# Allegro board 6089-103-RevA_73.brd (continued)
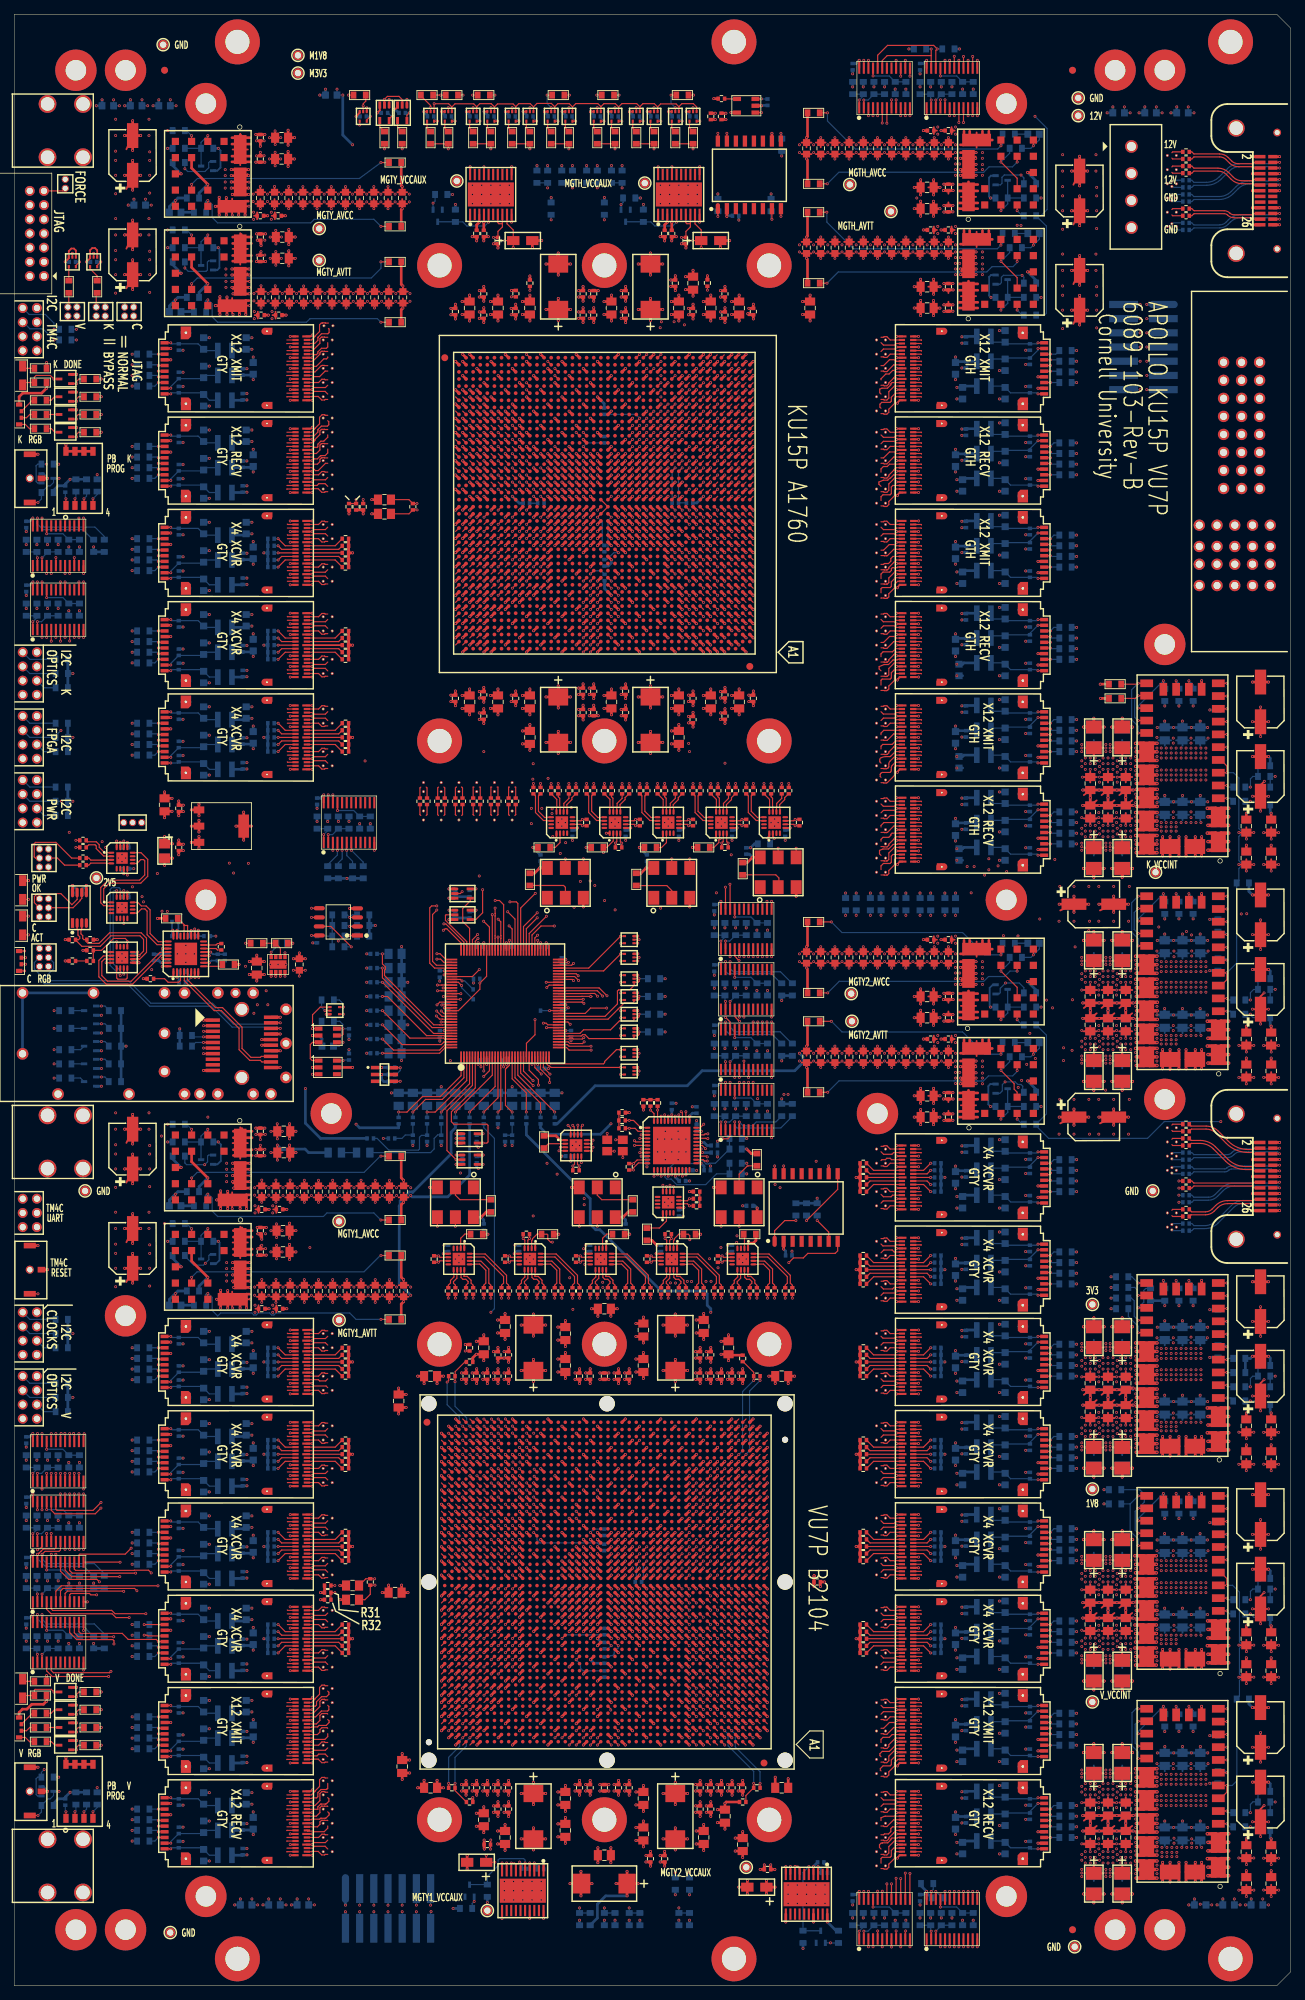
[diagram p0: board, top side]
## Routing (per net, layer and track width the routed paths; a pad name or vN(x,y) marks a point on that pad's centre or on a via; arc(x,y) is an arc through that point) (continued)
NV_FF12_RECV5: length 36.1
  TOP w0.165: U66.L46 60.23,43.94 ; U30.B11 38.45,22.4
  SIG4 w0.083: 38.45,22.4 38.66,22.19 39.67,22.19 arc(40.29,22.32) 40.82,22.67 41.79,23.64 arc(42.25,23.95) 42.79,24.05 44.34,24.05 arc(44.95,24.18) 45.47,24.52 48,27.05 arc(49.28,28.97) 49.73,31.23 49.73,32.42 arc(49.94,33.45) 50.52,34.32 53.43,37.23 arc(53.45,37.28) 53.43,37.32 arc(53.41,37.36) 53.43,37.4 53.58,37.55 arc(53.62,37.57) 53.67,37.55 arc(53.71,37.53) 53.75,37.55 53.9,37.7 arc(53.92,37.74) 53.9,37.79 arc(53.88,37.83) 53.9,37.87 54.05,38.02 arc(54.09,38.04) 54.13,38.02 arc(54.18,38) 54.22,38.02 59.55,43.35 arc(59.78,43.51) 60.05,43.56 60.51,43.56 arc(60.55,43.57) 60.58,43.6 arc(60.61,43.66) 60.63,43.73 arc(60.64,43.77) 60.65,43.8 arc(60.65,43.86) 60.61,43.91 arc(60.54,43.94) 60.47,43.94 60.23,43.94
NV_FF12_RECV6: length 36.1
  TOP w0.165: U30.A8 42.6,23.9 43.1,24.4 43.1,25.09 43.32,25.31 43.39,25.31 43.39,25.31 43.74,25.31 43.74,25.31 44.17,25.31 44.2,25.28 ; U66.M44 62.24,44.93
  SIG2 w0.083: 62.24,44.93 62.5,44.93 arc(62.59,44.89) 62.63,44.8 62.63,44.72 arc(62.58,44.61) 62.48,44.57 59.04,44.57 arc(58.15,44.39) 57.39,43.88 50.17,36.67 arc(49.56,35.75) 49.34,34.66 49.34,29.48 arc(49.18,28.68) 48.73,28 47.76,27.03 arc(47.7,27) 47.65,27.03 arc(47.59,27.05) 47.54,27.03 47.41,26.9 arc(47.39,26.85) 47.41,26.79 arc(47.44,26.74) 47.41,26.68 47.29,26.56 arc(47.24,26.54) 47.18,26.56 arc(47.13,26.58) 47.07,26.56 46.95,26.44 arc(46.92,26.38) 46.95,26.33 arc(46.97,26.27) 46.95,26.22 45.83,25.1 arc(45.7,25.01) 45.54,24.98 45.51,24.98 arc(45.36,25.01) 45.23,25.1 45.21,25.12 arc(45.03,25.24) 44.82,25.28 44.2,25.28
NV_FF12_RECV7: length 36.2
  TOP w0.165: U66.N46 60.23,45.95 ; U30.B8 38.45,23.9
  SIG4 w0.083: 38.45,23.9 38.61,23.74 39.7,23.74 arc(40.34,23.86) 40.88,24.22 42.26,25.6 arc(42.82,25.98) 43.48,26.11 44.43,26.11 arc(44.8,26.18) 45.12,26.39 47.06,28.33 arc(48.08,29.86) 48.44,31.67 48.44,33.14 arc(48.61,33.98) 49.08,34.7 52.65,38.27 arc(52.68,38.33) 52.65,38.39 arc(52.63,38.45) 52.65,38.51 52.77,38.62 arc(52.83,38.65) 52.89,38.62 arc(52.95,38.6) 53.01,38.62 53.12,38.74 arc(53.15,38.8) 53.12,38.86 arc(53.1,38.92) 53.12,38.98 53.23,39.09 arc(53.29,39.11) 53.35,39.09 arc(53.41,39.06) 53.47,39.09 59.75,45.36 arc(59.97,45.51) 60.22,45.56 60.4,45.56 arc(60.44,45.56) 60.48,45.57 arc(60.54,45.59) 60.59,45.62 arc(60.62,45.65) 60.63,45.69 60.63,45.86 60.55,45.95 60.23,45.95
NV_FF12_RECV8: length 36.6
  TOP w0.165: U30.A5 42.4,25.4 43.1,26.1 43.1,27.09 43.37,27.36 43.76,27.36 43.84,27.28 44.2,27.28 ; U66.P44 62.24,46.94
  SIG2 w0.083: 62.24,46.94 62.55,46.94 62.63,46.85 62.63,46.68 arc(62.59,46.6) 62.51,46.56 59.06,46.56 arc(58.1,46.37) 57.28,45.83 48.65,37.2 arc(48.01,36.24) 47.79,35.12 47.79,32.29 arc(47.77,32.23) 47.71,32.21 arc(47.66,32.19) 47.63,32.13 47.63,31.96 arc(47.66,31.9) 47.71,31.88 arc(47.77,31.86) 47.79,31.8 47.79,31.63 arc(47.77,31.57) 47.71,31.55 arc(47.66,31.53) 47.63,31.47 47.63,31.3 arc(47.66,31.24) 47.71,31.22 arc(47.77,31.2) 47.79,31.14 47.79,29.93 arc(47.64,29.17) 47.21,28.53 45.79,27.11 arc(45.67,27.02) 45.53,26.98 arc(45.48,26.98) 45.44,26.99 arc(45.37,27.02) 45.3,27.05 arc(45.26,27.07) 45.23,27.1 45.21,27.12 arc(45.03,27.24) 44.83,27.28 44.2,27.28
NV_FF12_RECV9: length 36.6
  TOP w0.165: U66.R46 60.23,47.93 ; U30.B5 38.45,25.4
  SIG4 w0.083: 60.23,47.93 60.55,47.93 60.63,47.84 60.63,47.65 arc(60.61,47.58) 60.54,47.55 60.09,47.55 arc(59.77,47.49) 59.51,47.31 52.75,40.55 arc(52.69,40.53) 52.63,40.55 arc(52.57,40.58) 52.51,40.55 52.39,40.44 arc(52.37,40.38) 52.39,40.32 arc(52.42,40.26) 52.39,40.2 52.28,40.08 arc(52.22,40.06) 52.16,40.08 arc(52.1,40.11) 52.04,40.08 51.93,39.97 arc(51.9,39.91) 51.93,39.85 arc(51.95,39.79) 51.93,39.73 48.01,35.81 arc(47.44,34.96) 47.24,33.96 47.24,32.06 arc(46.94,30.54) 46.08,29.25 45.21,28.39 arc(44.85,28.15) 44.42,28.06 44.04,28.06 arc(43.32,27.92) 42.72,27.51 41.02,25.82 arc(40.38,25.39) 39.62,25.24 38.61,25.24 38.45,25.4
NV_FF12_RECV10: length 37
  TOP w0.165: U66.T44 62.24,48.94 ; U30.A2 41.9,26.9 42.43,27.43 42.43,27.48 43.05,28.09 43.05,29.04 43.37,29.36 43.76,29.36 43.84,29.28 44.2,29.28
  SIG2 w0.083: 44.2,29.28 44.98,29.28 arc(45.07,29.26) 45.14,29.21 45.23,29.13 arc(45.36,29.04) 45.52,29.01 45.61,29.01 arc(45.84,29.06) 46.04,29.19 46.45,29.59 arc(46.63,29.86) 46.69,30.18 46.69,31.79 arc(46.67,31.85) 46.61,31.87 arc(46.56,31.89) 46.54,31.95 46.54,32.12 arc(46.56,32.18) 46.61,32.2 arc(46.67,32.22) 46.69,32.28 46.69,32.45 arc(46.67,32.51) 46.61,32.53 arc(46.56,32.55) 46.54,32.61 46.54,32.78 arc(46.56,32.84) 46.61,32.86 arc(46.67,32.88) 46.69,32.94 46.69,36.59 arc(46.82,37.23) 47.18,37.78 57.62,48.21 arc(58.04,48.5) 58.54,48.6 61.39,48.6 61.39,48.6 62.5,48.6 arc(62.58,48.63) 62.62,48.69 62.64,48.79 arc(62.64,48.83) 62.62,48.87 62.55,48.94 62.24,48.94
NV_FF12_RECV11: length 36.3
  TOP w0.165: U30.B2 38.45,26.9 ; U66.U46 60.23,49.93
  SIG4 w0.083: 60.23,49.93 60.55,49.93 60.63,49.85 60.63,49.65 arc(60.61,49.59) 60.55,49.57 60.16,49.57 arc(59.93,49.55) 59.71,49.48 59.61,49.44 arc(59.52,49.39) 59.43,49.34 59.43,49.34 51.58,41.49 arc(51.53,41.47) 51.48,41.49 arc(51.43,41.51) 51.38,41.49 51.25,41.36 arc(51.23,41.31) 51.25,41.26 arc(51.27,41.21) 51.25,41.16 51.12,41.03 arc(51.07,41) 51.01,41.03 arc(50.96,41.05) 50.91,41.03 50.78,40.89 arc(50.76,40.84) 50.78,40.79 arc(50.8,40.74) 50.78,40.69 46.74,36.64 arc(46.11,35.71) 45.89,34.6 45.89,33.37 arc(45.71,32.47) 45.2,31.71 40.59,27.09 arc(40.15,26.8) 39.63,26.69 38.66,26.69 38.45,26.9
NV_FF12_XMIT0: length 28.6
  TOP w0.165: U66.A43 63.23,33.93 ; U29.B17 38.45,32.4
  SIG3 w0.083: 38.45,32.4 38.61,32.24 41.73,32.24 arc(42.13,32.32) 42.48,32.55 42.55,32.62 arc(42.98,32.91) 43.48,33.01 45.58,33.01 arc(45.62,33.02) 45.65,33.04 45.98,33.37 arc(46.22,33.53) 46.51,33.58 48.4,33.58 arc(48.46,33.61) 48.49,33.67 arc(48.52,33.74) 48.58,33.76 48.73,33.76 arc(48.79,33.74) 48.82,33.67 arc(48.85,33.61) 48.91,33.58 49.06,33.58 arc(49.12,33.61) 49.15,33.67 arc(49.18,33.74) 49.24,33.76 49.39,33.76 arc(49.45,33.74) 49.48,33.67 arc(49.51,33.61) 49.57,33.58 63.48,33.58 arc(63.56,33.61) 63.61,33.67 arc(63.63,33.72) 63.63,33.76 63.63,33.85 63.55,33.93 63.23,33.93
NV_FF12_XMIT1: length 25.6
  TOP w0.165: U29.A17 42.69,32.4 42.94,32.65 43.83,32.65 44.2,32.28 ; U66.C43 63.23,35.94
  SIG1 w0.083: 44.2,32.28 44.93,32.28 arc(45.08,32.25) 45.21,32.17 45.22,32.16 arc(45.36,32.06) 45.53,32.03 45.83,32.03 arc(46.13,32.09) 46.38,32.25 48.55,34.43 arc(49.84,35.29) 51.36,35.59 53.84,35.59 arc(53.88,35.61) 53.89,35.64 arc(53.91,35.68) 53.95,35.69 54.17,35.69 arc(54.21,35.68) 54.22,35.64 arc(54.24,35.61) 54.28,35.59 54.5,35.59 arc(54.54,35.61) 54.55,35.64 arc(54.57,35.68) 54.61,35.69 54.83,35.69 arc(54.87,35.68) 54.88,35.64 arc(54.9,35.61) 54.94,35.59 55.16,35.59 arc(55.2,35.61) 55.21,35.64 arc(55.23,35.68) 55.27,35.69 55.49,35.69 arc(55.53,35.68) 55.54,35.64 arc(55.56,35.61) 55.6,35.59 63.49,35.59 arc(63.59,35.63) 63.63,35.73 63.63,35.85 63.55,35.94 63.23,35.94
NV_FF12_XMIT2: length 29.6
  TOP w0.165: U29.B14 38.45,33.9 ; U66.E43 63.23,37.94
  SIG3 w0.083: 63.23,37.94 63.55,37.94 63.63,37.86 63.63,37.6 arc(63.62,37.57) 63.61,37.54 63.57,37.51 arc(63.55,37.49) 63.51,37.48 60.09,37.48 arc(59.6,37.39) 59.18,37.1 57.76,35.68 arc(56.97,35.16) 56.05,34.97 49.38,34.97 arc(49.32,35) 49.3,35.05 arc(49.28,35.11) 49.22,35.13 49.05,35.13 arc(48.99,35.11) 48.97,35.05 arc(48.95,35) 48.89,34.97 48.72,34.97 arc(48.66,35) 48.64,35.05 arc(48.62,35.11) 48.56,35.13 48.39,35.13 arc(48.33,35.11) 48.31,35.05 arc(48.29,35) 48.23,34.97 42.1,34.97 arc(41.67,34.89) 41.31,34.65 40.61,33.95 arc(40.37,33.78) 40.07,33.73 38.62,33.73 38.45,33.9
NV_FF12_XMIT3: length 28.4
  TOP w0.165: U66.G41 65.23,39.93 ; 44.2,34.28 43.84,34.28 43.76,34.36 43.37,34.36 42.91,33.9 U29.A14
  SIG1 w0.083: 65.23,39.93 65.54,39.93 65.63,39.84 65.63,39.73 arc(65.58,39.62) 65.47,39.58 55.84,39.58 arc(55.79,39.6) 55.77,39.65 arc(55.75,39.69) 55.71,39.71 55.51,39.71 arc(55.46,39.69) 55.44,39.65 arc(55.42,39.6) 55.38,39.58 55.18,39.58 arc(55.13,39.6) 55.11,39.65 arc(55.09,39.69) 55.05,39.71 54.85,39.71 arc(54.8,39.69) 54.78,39.65 arc(54.76,39.6) 54.72,39.58 53.24,39.58 arc(51.77,39.29) 50.53,38.46 46.29,34.22 arc(46.04,34.06) 45.74,34 45.64,34 arc(45.47,34.03) 45.33,34.12 45.32,34.13 arc(45.16,34.24) 44.97,34.28 44.2,34.28
NV_FF12_XMIT4: length 32.4
  TOP w0.165: U66.J41 65.23,41.93 ; U29.B11 38.45,35.4
  SIG3 w0.083: 38.45,35.4 38.61,35.24 39.83,35.24 arc(40.36,35.34) 40.8,35.64 41.84,36.68 arc(42.16,36.89) 42.53,36.96 48.37,36.96 arc(48.4,36.98) 48.42,37.01 arc(48.43,37.05) 48.47,37.06 48.7,37.06 arc(48.73,37.05) 48.75,37.01 arc(48.76,36.98) 48.8,36.96 49.03,36.96 arc(49.06,36.98) 49.08,37.01 arc(49.09,37.05) 49.13,37.06 49.36,37.06 arc(49.39,37.05) 49.41,37.01 arc(49.42,36.98) 49.46,36.96 49.69,36.96 arc(49.72,36.98) 49.74,37.01 arc(49.75,37.05) 49.79,37.06 50.02,37.06 arc(50.05,37.05) 50.07,37.01 arc(50.08,36.98) 50.12,36.96 54.34,36.96 arc(55.05,37.11) 55.66,37.51 59.1,40.96 arc(59.8,41.42) 60.62,41.59 65.51,41.59 arc(65.54,41.59) 65.57,41.61 65.6,41.64 arc(65.62,41.67) 65.63,41.7 65.63,41.85 65.54,41.93 65.23,41.93
NV_FF12_XMIT5: length 29.7
  TOP w0.165: 44.2,36.28 44.12,36.36 43.37,36.36 43.1,36.09 43.1,35.75 42.75,35.4 U29.A11 ; U66.L41 65.23,43.94
  SIG1 w0.083: 65.23,43.94 65.54,43.94 65.63,43.86 65.63,43.73 arc(65.58,43.63) 65.48,43.59 58.22,43.59 arc(58.16,43.61) 58.14,43.67 arc(58.12,43.72) 58.07,43.74 57.89,43.74 arc(57.83,43.72) 57.81,43.67 arc(57.79,43.61) 57.74,43.59 57.56,43.59 arc(57.5,43.61) 57.48,43.67 arc(57.46,43.72) 57.41,43.74 57.23,43.74 arc(57.17,43.72) 57.15,43.67 arc(57.13,43.61) 57.08,43.59 54.64,43.59 arc(53.75,43.41) 53,42.91 46.47,36.38 arc(46.06,36.11) 45.57,36.01 arc(45.49,36.04) 45.4,36.07 arc(45.33,36.12) 45.26,36.16 arc(45.09,36.25) 44.9,36.28 44.2,36.28
NV_FF12_XMIT6: length 35.1
  TOP w0.165: U66.M39 67.24,44.93 ; U29.B8 38.45,36.9
  SIG3 w0.083: 38.45,36.9 38.61,36.74 39.93,36.74 arc(40.38,36.83) 40.77,37.08 42.29,38.61 arc(42.78,38.94) 43.36,39.05 48.25,39.05 arc(48.29,39.07) 48.31,39.11 arc(48.32,39.15) 48.36,39.17 48.58,39.17 arc(48.62,39.15) 48.64,39.11 arc(48.65,39.07) 48.69,39.05 48.91,39.05 arc(48.95,39.07) 48.97,39.11 arc(48.98,39.15) 49.02,39.17 49.24,39.17 arc(49.28,39.15) 49.3,39.11 arc(49.31,39.07) 49.35,39.05 49.57,39.05 arc(49.61,39.07) 49.63,39.11 arc(49.64,39.15) 49.68,39.17 49.9,39.17 arc(49.94,39.15) 49.96,39.11 arc(49.97,39.07) 50.01,39.05 52.55,39.05 arc(54.11,39.36) 55.44,40.25 59.39,44.2 arc(59.73,44.43) 60.14,44.51 67.52,44.51 arc(67.55,44.52) 67.57,44.53 67.59,44.55 arc(67.62,44.6) 67.63,44.64 67.63,44.85 67.55,44.93 67.24,44.93
NV_FF12_XMIT7: length 30.1
  TOP w0.165: 44.2,38.28 44.12,38.36 43.37,38.36 43.1,38.09 43.1,37.4 42.6,36.9 U29.A8 ; U66.N41 65.23,45.95
  SIG1 w0.083: 65.23,45.95 65.54,45.95 65.63,45.86 65.63,45.69 arc(65.58,45.59) 65.48,45.55 58.18,45.55 arc(58.13,45.57) 58.11,45.62 58.11,45.62 arc(58.08,45.67) 58.03,45.69 57.85,45.69 arc(57.8,45.67) 57.78,45.62 57.78,45.62 arc(57.75,45.57) 57.7,45.55 57.52,45.55 arc(57.47,45.57) 57.45,45.62 57.45,45.62 arc(57.42,45.67) 57.37,45.69 57.19,45.69 arc(57.14,45.67) 57.12,45.62 57.12,45.62 arc(57.09,45.57) 57.04,45.55 54.65,45.55 arc(53.59,45.34) 52.69,44.74 46.21,38.25 arc(45.94,38.07) 45.63,38.01 45.6,38.01 arc(45.42,38.05) 45.26,38.15 45.24,38.17 arc(45.12,38.25) 44.97,38.28 44.2,38.28
NV_FF12_XMIT8: length 35.3
  TOP w0.165: U66.P39 67.24,46.94 ; U29.B5 38.45,38.4
  SIG3 w0.083: 67.24,46.94 67.55,46.94 67.63,46.85 67.63,46.67 arc(67.62,46.63) 67.6,46.6 67.54,46.54 arc(67.51,46.52) 67.47,46.51 60.33,46.51 arc(59.81,46.4) 59.36,46.11 55.14,41.89 arc(54.11,41.2) 52.9,40.96 49.68,40.96 arc(49.64,40.98) 49.63,41.01 arc(49.61,41.05) 49.57,41.07 49.35,41.07 arc(49.31,41.05) 49.3,41.01 arc(49.28,40.98) 49.24,40.96 49.02,40.96 arc(48.98,40.98) 48.97,41.01 arc(48.95,41.05) 48.91,41.07 48.69,41.07 arc(48.65,41.05) 48.64,41.01 arc(48.62,40.98) 48.58,40.96 48.36,40.96 arc(48.32,40.98) 48.31,41.01 arc(48.29,41.05) 48.25,41.07 48.03,41.07 arc(47.99,41.05) 47.98,41.01 arc(47.96,40.98) 47.92,40.96 43.56,40.96 arc(43.01,40.85) 42.53,40.53 40.5,38.5 arc(40.21,38.31) 39.87,38.24 38.61,38.24 38.45,38.4
NV_FF12_XMIT9: length 30.2
  TOP w0.165: 44.2,40.28 43.84,40.28 43.76,40.36 43.37,40.36 43.1,40.09 43.1,39.36 42.14,38.4 U29.A5 ; U66.R41 65.23,47.93
  SIG1 w0.083: 65.23,47.93 65.54,47.93 65.63,47.84 65.63,47.79 65.42,47.58 57.89,47.58 arc(57.83,47.6) 57.81,47.66 arc(57.79,47.71) 57.74,47.73 57.56,47.73 arc(57.5,47.71) 57.48,47.66 arc(57.46,47.6) 57.41,47.58 57.23,47.58 arc(57.17,47.6) 57.15,47.66 arc(57.13,47.71) 57.08,47.73 56.9,47.73 arc(56.84,47.71) 56.82,47.66 arc(56.8,47.6) 56.75,47.58 55,47.58 54.86,47.56 53.82,47.17 52.86,46.81 52.79,46.76 52.79,46.76 52.75,46.72 52.74,46.72 52.63,46.61 52.57,46.57 52.57,46.55 46.29,40.28 arc(46.26,40.25) 46.22,40.23 45.72,40.03 arc(45.68,40.01) 45.64,40.01 45.59,40.01 arc(45.41,40.04) 45.27,40.14 arc(45.11,40.24) 44.93,40.28 44.2,40.28
NV_FF12_XMIT10: length 35.5
  TOP w0.165: U66.T39 67.24,48.94 ; U29.B2 38.45,39.9
  SIG3 w0.083: 38.45,39.9 38.61,39.74 39.16,39.74 arc(39.69,39.84) 40.14,40.15 43.14,43.15 arc(43.69,43.51) 44.34,43.64 48.8,43.64 arc(48.84,43.66) 48.86,43.71 arc(48.88,43.75) 48.92,43.77 49.13,43.77 arc(49.17,43.75) 49.19,43.71 arc(49.21,43.66) 49.25,43.64 49.46,43.64 arc(49.5,43.66) 49.52,43.71 arc(49.54,43.75) 49.58,43.77 49.79,43.77 arc(49.83,43.75) 49.85,43.71 arc(49.87,43.66) 49.91,43.64 50.12,43.64 arc(50.16,43.66) 50.18,43.71 arc(50.2,43.75) 50.24,43.77 50.45,43.77 arc(50.49,43.75) 50.51,43.71 arc(50.53,43.66) 50.57,43.64 53.91,43.64 arc(54.9,43.84) 55.75,44.41 59.59,48.25 arc(59.97,48.51) 60.43,48.6 67.45,48.6 arc(67.54,48.61) 67.62,48.66 67.63,48.68 67.63,48.86 67.55,48.94 67.24,48.94
NV_FF12_XMIT11: length 30.7
  TOP w0.165: U29.A2 41.9,39.9 42.43,40.43 42.43,40.48 43.05,41.09 43.05,42.04 43.37,42.36 43.76,42.36 43.84,42.28 44.2,42.28 ; U66.U41 65.23,49.93
  SIG1 w0.083: 65.23,49.93 65.54,49.93 65.63,49.85 65.63,49.65 arc(65.58,49.54) 65.47,49.5 56.86,49.5 arc(56.82,49.51) 56.8,49.55 arc(56.79,49.6) 56.75,49.61 56.53,49.61 arc(56.49,49.6) 56.47,49.55 arc(56.46,49.51) 56.42,49.5 56.2,49.5 arc(56.16,49.51) 56.14,49.55 arc(56.13,49.6) 56.09,49.61 55.87,49.61 arc(55.83,49.6) 55.81,49.55 arc(55.8,49.51) 55.76,49.5 54.6,49.5 arc(53.99,49.38) 53.48,49.03 47.07,42.62 arc(46.38,42.17) 45.58,42 45.47,42 arc(45.39,42.02) 45.32,42.07 45.24,42.15 arc(45.09,42.25) 44.92,42.28 44.2,42.28
NV_GTY1_OSC: length 10.6
  TOP w0.165: U88.5 v1(102.2,107.02) ; U89.7 100.01,102.15 v1(99.81,101.95) R142.1
  SIG2 w0.083: v1(99.81,101.95) 99.81,101.95 100.14,102.29 100.7,102.29 101.32,102.91 101.32,104.41 101.03,104.69 101.03,106.94 101.12,107.02 v1(102.2,107.02)
NV_GTY2_OSC: length 10.6
  TOP w0.165: U43.5 v1(62.2,107.02) ; R84.1 v1(59.81,101.95) 60.01,102.15 U44.7
  SIG2 w0.083: v1(59.81,101.95) 59.81,101.95 60.15,102.29 60.7,102.29 61.32,102.91 61.32,104.41 61.03,104.69 61.03,106.94 61.12,107.02 v1(62.2,107.02)
NV_TEST_CONN_0: length 51.9
  TOP w0.165: U66.B26 v1(80.23,34.93)
  SIG1 w0.083: v1(80.23,34.93) 80.23,35.24 80.15,35.32 68.12,35.32 65.99,33.2 62.08,33.2 59.11,30.22 58.35,30.22 47.95,19.83 47.95,11.19 48.2,10.94 48.53,10.94 48.7,11.11 v1(48.7,11.36)
  BOTTOM w0.165: J19.3 v1(48.7,11.36)
NV_TEST_CONN_1: length 50.5
  TOP w0.165: v1(81.23,33.92) 81.23,33.92 U66.A25
  SIG1 w0.083: v1(81.23,33.92) 81.23,34.24 81.14,34.32 69.78,34.32 65.5,30.04 60.05,30.04 49.95,19.93 49.95,11.04 50.03,10.96 50.43,10.96 50.7,11.23 v1(50.7,11.36)
  BOTTOM w0.165: J19.5 v1(50.7,11.36)
NV_TEST_CONN_2: length 49.7
  TOP w0.165: U66.A24 82.23,33.93 v1(82.23,33.92)
  SIG1 w0.083: v1(82.23,33.92) 82.23,34.24 82.14,34.32 82.03,34.32 81.82,34.12 81.82,33.53 81.31,33.02 76.33,33.02 72.61,29.3 61.3,29.3 52,20.01 52,11.16 52.17,10.99 52.52,10.99 52.7,11.17 v1(52.7,11.36)
  BOTTOM w0.165: J19.7 v1(52.7,11.36)
NV_TEST_CONN_3: length 46
  TOP w0.165: v1(85.16,33.93) 85.16,33.93 U66.A22
  SIG1 w0.083: v1(54.7,11.36) 54.7,11.1 54.57,10.97 54.31,10.97 54.11,11.17 54.11,11.73 63.26,20.88 68.44,20.88 70.7,23.14 70.7,25.05 77.1,31.45 80.95,31.45 82.86,33.36 84.48,33.36 84.77,33.65 84.77,33.85 84.86,33.93 v1(85.16,33.93)
  BOTTOM w0.165: J19.9 v1(54.7,11.36)
NV_TEST_CONN_4: length 49.1
  TOP w0.165: v1(85.17,34.94) 85.17,34.94 U66.B22
  SIG1 w0.083: v1(85.17,34.94) 85.17,35.25 85.26,35.33 85.37,35.33 85.57,35.13 85.57,34.71 85.58,34.7 85.58,31.06 84.89,30.36 77.2,30.36 72.03,25.19 72.03,19.92 70.15,18.04 67.61,18.04 67.49,17.92 62.88,17.92 57.17,12.21 57.17,11.1 57.09,11.01 56.76,11.01 56.7,11.07 v1(56.7,11.36)
  BOTTOM w0.165: J19.11 v1(56.7,11.36)
NV_TEST_CONN_5: length 58.5
  TOP w0.165: U66.F23 84.1,39.01 v1(84.1,38.86)
  SIG1 w0.083: v1(84.1,38.86) 83.35,38.89 83.27,38.81 83.26,38.7 83.26,38.33 84.04,37.55 86.43,37.55 86.73,37.25 86.73,30.75 85.36,29.38 77.88,29.38 75.86,27.35 75.86,17.27 74.11,15.52 62.07,15.52 58.19,11.63 58.19,11.35 58.55,10.99 58.66,10.99 58.7,11.03 v1(58.7,11.36)
  BOTTOM w0.165: J19.13 v1(58.7,11.36)
NV_TTS_OUT: length 118.9
  TOP w0.165: U66.AR33 v1(73.24,68.87)
  SIG3 w0.083: v1(73.24,68.87) 72.84,68.47 58.13,68.47 arc(57.49,68.6) 56.95,68.96 44.7,81.22 arc(44.23,81.53) 43.67,81.64 38.73,81.64 arc(38.16,81.76) 37.67,82.08 37.67,82.08 34.89,84.87 arc(34.57,85.13) 34.2,85.33 33.81,85.49 arc(33.49,85.66) 33.21,85.89 32.41,86.7 arc(32.19,86.97) 32.03,87.28 31.66,88.22 arc(31.53,88.66) 31.48,89.12 31.48,98.15 31.64,98.3 31.64,108.9 31.3,109.25 31.3,109.75 31.65,110.11 31.65,116.16 30.16,117.66 29.53,117.66 28.43,118.76 28.43,118.93 12.34,135.02 11.39,135.02 4.3,142.11 4.3,143.1 J11.6
NV_UTIL_CLK: length 10.6
  TOP w0.165: U63.5 v1(82.2,107.02) ; R111.1 v1(79.81,101.95) 80.01,102.15 U64.7
  SIG2 w0.083: v1(82.2,107.02) 81.12,107.02 81.03,106.94 81.03,104.69 81.32,104.41 81.32,102.91 80.7,102.29 80.14,102.29 79.81,101.95 v1(79.81,101.95)
NXTAL: length 6.4
  TOP w0.165: X1.3 v1(84.6,117.6) ; v1(87.44,118.41) 89.26,118.41 U81.6
  SIG1 w0.083: v1(87.44,118.41) 87.21,118.64 86.74,118.64 86.36,118.25 84.99,118.25 84.91,118.17 84.91,117.9 v1(84.6,117.6)
PCDR_DAT_CML: length 17.3
  TOP w0.165: U12.11 v1(17.6,145.15) 18.23,145.79 18.23,147.44 17.73,147.95 13.62,147.95 12.14,146.47 9.54,146.47 8.65,147.35 R12.2 9.08,147.4 9.24,147.57 9.24,147.8 8.99,148.05 8.99,148.79 8.88,148.9 U8.2
PCDR_DATA: length 10
  TOP w0.165: U8.7 8.88,153.07 8.14,152.33 6.58,153.89 3.27,153.89 2.85,153.47 2.85,152.62 3.56,151.9
PHIGH_PERF_CLK0: length 23.5
  TOP w0.165: U61.9 v1(81.41,117.65) ; R127.1 v1(89.81,102.85) 90.01,102.65 U83.6
  SIG2 w0.083: v1(89.81,102.85) 89.81,102.59 89.73,102.5 88.61,102.5 80.94,110.18 80.94,110.3 80.8,110.43 80.8,110.55 80.94,110.68 80.94,111.17 80.8,111.3 80.8,117.51 81.14,117.85 81.21,117.85 v1(81.41,117.65)
PHIGH_PERF_CLK1: length 27.5
  TOP w0.165: U56.6 70.01,102.65 v1(69.81,102.85) R97.1 ; U61.11 v1(81.41,118.65)
  SIG1 w0.083: v1(69.81,102.85) 69.81,102.59 69.89,102.5 70.33,102.5 71.15,103.32 71.15,110.32 78.05,117.22 81.75,117.22 82.15,117.62 82.15,118.58 82.08,118.65 v1(81.41,118.65)
PHIGH_PERF_CLK2: length 64.9
  TOP w0.165: U61.13 79.95,121.09 v1(80.12,121.26) ; R147.1 v1(102.59,163.45) 102.39,163.65 U87.6
  SIG1 w0.083: v1(80.12,121.26) 79.9,121.49 79.9,123.45 84.24,127.79 84.24,161.23 85.04,162.04 99.49,162.04 101.26,163.81 102.23,163.81 v1(102.59,163.45)
PHIGH_PERF_CLK3: length 52.2
  TOP w0.165: R125.1 v1(87.59,163.45) 87.39,163.65 U68.6 ; U61.15 78.95,121.03 v1(78.74,121.23)
  SIG1 w0.083: v1(87.59,163.45) 87.59,163.71 87.51,163.8 87.39,163.8 87.39,163.79 86.84,163.79 85.8,162.76 83.31,162.76 82.43,161.88 82.43,142.35 79.69,139.61 79.69,133.55 78.47,132.32 78.47,121.5 v1(78.74,121.23)
PHIGH_PERF_CLK_BUF0: length 18.1
  TOP w0.165: U61.6 78.95,116.26 78.99,116.22 78.99,115.75 v1(78.75,115.51) R110.2 ; U80.11 v1(91.95,112.61)
  SIG1 w0.083: v1(91.95,112.61) 91.04,111.7 82.62,111.7 79.1,115.22 79.1,115.43 79.01,115.51 v1(78.75,115.51)
PHIGH_PERF_CLK_BUF1: length 10.8
  TOP w0.165: R121.2 v1(87.31,115.85) 87.82,116.36 88.59,116.36 88.63,116.4 U81.10 ; U80.9 v1(92.95,112.61)
  SIG1 w0.083: v1(87.31,115.85) 87.31,115.59 87.39,115.5 88.09,115.5 90.04,113.56 92.24,113.56 92.95,112.84 v1(92.95,112.61)
PK_CDR_DATA: length 105.4
  TOP w0.165: U65.H24 v1(80.23,194.93)
  SIG3 w0.083: v1(80.23,194.93) 80.23,194.61 80.14,194.53 80.04,194.53 80.03,194.54 79.95,194.54 79.94,194.54 55.18,194.54 49.6,188.96 49.6,175.1 44.1,169.6 15.79,169.6 6.05,159.85 6.05,157.42 4.1,155.47 4.1,153.7 3.56,153.17
PK_FF1_RECV0: length 50.6
  TOP w0.165: U109.A18 123.49,166.9 123.03,167.36 122.64,167.36 122.56,167.28 122.2,167.28 ; U65.R4 101.17,201.93
  SIG4 w0.083: 122.2,167.28 121.5,167.28 arc(121.41,167.26) 121.34,167.21 121.26,167.14 arc(121.18,167.08) 121.07,167.06 120.98,167.06 arc(120.94,167.06) 120.92,167.08 120.62,167.38 arc(120.46,167.61) 120.41,167.89 120.41,180.3 arc(120.25,181.12) 119.78,181.82 114.26,187.34 arc(113.41,188.61) 113.11,190.11 113.11,191.9 arc(112.74,193.78) 111.67,195.39 104.79,202.26 arc(104.55,202.43) 104.27,202.48 101.92,202.48 arc(101.67,202.38) 101.57,202.13 101.57,202.01 101.49,201.93 101.17,201.93
PK_FF1_RECV1: length 49.8
  TOP w0.165: U109.B18 127.85,166.9 127.9,166.85 127.9,166.88 ; U65.P2 103.17,200.93
  SIG2 w0.083: 103.17,200.93 103.49,200.93 103.57,201.01 103.57,201.25 arc(103.59,201.37) 103.65,201.46 103.69,201.49 arc(103.78,201.56) 103.9,201.58 104.23,201.58 arc(104.57,201.51) 104.87,201.31 111.31,194.87 arc(112.22,193.51) 112.54,191.89 112.54,188.07 arc(112.96,185.96) 114.16,184.18 116.81,181.53 arc(117.89,179.9) 118.27,177.98 118.27,174.3 arc(118.64,172.45) 119.69,170.87 123.52,167.05 arc(123.88,166.81) 124.31,166.72 127.44,166.72 127.61,166.88 127.9,166.88
PK_FF1_RECV2: length 50.9
  TOP w0.165: U109.A15 124.34,165.4 124.12,165.62 122.54,165.62 122.2,165.28 ; U65.N4 101.17,199.93
  SIG4 w0.083: 122.2,165.28 121.52,165.28 arc(121.4,165.26) 121.3,165.19 121.19,165.08 arc(121.11,165.03) 121.02,165.01 120.78,165.01 arc(120.69,165.03) 120.62,165.08 119.43,166.27 arc(119.16,166.68) 119.06,167.16 119.06,179.44 arc(118.81,180.68) 118.1,181.74 113.19,186.65 arc(112.29,188.01) 111.97,189.61 111.97,191.78 arc(111.71,193.08) 110.97,194.18 104.85,200.31 arc(104.62,200.46) 104.34,200.52 101.93,200.52 arc(101.67,200.41) 101.57,200.16 101.57,200.01 101.49,199.93 101.17,199.93
PK_FF1_RECV3: length 50
  TOP w0.165: 127.9,165.38 127.9,165.35 127.85,165.4 U109.B15 ; U65.M2 103.17,198.93
  SIG2 w0.083: 103.17,198.93 103.49,198.93 103.57,199.01 103.57,199.18 arc(103.59,199.3) 103.65,199.39 103.69,199.42 arc(103.78,199.49) 103.9,199.51 104.21,199.51 arc(104.59,199.43) 104.91,199.22 110.2,193.93 arc(111.07,192.62) 111.38,191.08 111.38,187.14 arc(111.78,185.14) 112.92,183.43 115.68,180.67 arc(116.61,179.28) 116.94,177.63 116.94,172.51 116.94,172.51 arc(117.24,171) 118.1,169.72 121.56,166.25 arc(121.87,166.05) 122.23,165.98 123.17,165.98 arc(123.52,165.91) 123.82,165.71 124.15,165.38 arc(124.37,165.23) 124.63,165.18 127.4,165.18 127.61,165.38 127.9,165.38
PK_FF1_RECV4: length 50.7
  TOP w0.165: U65.L4 101.17,197.93 ; 122.2,163.28 122.2,163.49 122.61,163.9 U109.A12
  SIG4 w0.083: 101.17,197.93 101.32,197.93 arc(101.34,197.93) 101.37,197.92 arc(101.44,197.92) 101.51,197.94 arc(101.54,197.97) 101.56,198.02 arc(101.57,198.15) 101.61,198.27 arc(101.64,198.33) 101.67,198.38 arc(101.77,198.45) 101.89,198.48 104.23,198.48 arc(104.61,198.41) 104.93,198.19 109.67,193.45 arc(110.42,192.32) 110.69,190.98 110.69,189.19 arc(111.03,187.5) 111.99,186.06 116.71,181.34 arc(117.41,180.29) 117.65,179.06 117.65,167.47 arc(117.86,166.4) 118.47,165.49 120.92,163.04 arc(120.95,163.02) 121,163.01 121.1,163.01 arc(121.14,163.02) 121.16,163.03 121.32,163.19 arc(121.42,163.26) 121.54,163.28 122.2,163.28
PK_FF1_RECV5: length 49.9
  TOP w0.165: U65.K2 103.17,196.93 ; 127.9,163.88 127.9,163.85 127.85,163.9 U109.B12
  SIG2 w0.083: 127.9,163.88 127.61,163.88 127.45,163.73 126.39,163.73 arc(126.29,163.75) 126.21,163.8 126.08,163.94 arc(125.99,164) 125.87,164.02 122.01,164.02 arc(121.74,164.07) 121.52,164.22 116.81,168.94 arc(115.89,170.31) 115.57,171.92 115.57,177.14 arc(115.2,179.02) 114.13,180.61 111.49,183.25 arc(110.44,184.83) 110.06,186.7 110.06,190.69 arc(109.81,191.96) 109.09,193.05 104.87,197.27 arc(104.52,197.5) 104.11,197.58 103.9,197.58 arc(103.78,197.56) 103.69,197.49 103.65,197.46 arc(103.59,197.37) 103.57,197.25 103.57,197.01 103.49,196.93 103.17,196.93
PK_FF1_RECV6: length 51
  TOP w0.165: U65.J4 101.17,195.93 ; 122.2,161.28 122.2,161.54 122.47,161.82 123.3,161.82 123.58,162.11 123.58,162.23 123.75,162.4 U109.A9
  SIG4 w0.083: 101.17,195.93 101.49,195.93 101.57,196.01 101.57,196.16 arc(101.67,196.41) 101.93,196.51 104.21,196.51 arc(104.56,196.45) 104.85,196.25 108.42,192.68 arc(109.21,191.5) 109.48,190.11 109.48,188.65 arc(109.81,187) 110.75,185.6 114.89,181.46 arc(115.79,180.12) 116.1,178.53 116.1,167.58 arc(116.43,165.94) 117.35,164.55 120.87,161.04 arc(120.9,161.01) 120.95,161 121.1,161 arc(121.13,161.01) 121.16,161.03 121.33,161.19 arc(121.42,161.26) 121.53,161.28 122.2,161.28